# Altium PCB Copy of PCB1.PcbDoc (part 3 of 5)
Units mm, origin at the board's own origin, x right, y up, seen from the top; angles counter-clockwise.
Board outline 150 x 50 mm, 6 copper layers (Top Layer, Layer 1, Top Middle Layer, Bottom Middle Layer, Layer 2, Bottom Layer), stack 0.885 mm thick; 361 components, 293 nets, 1358 pads, 565 vias.
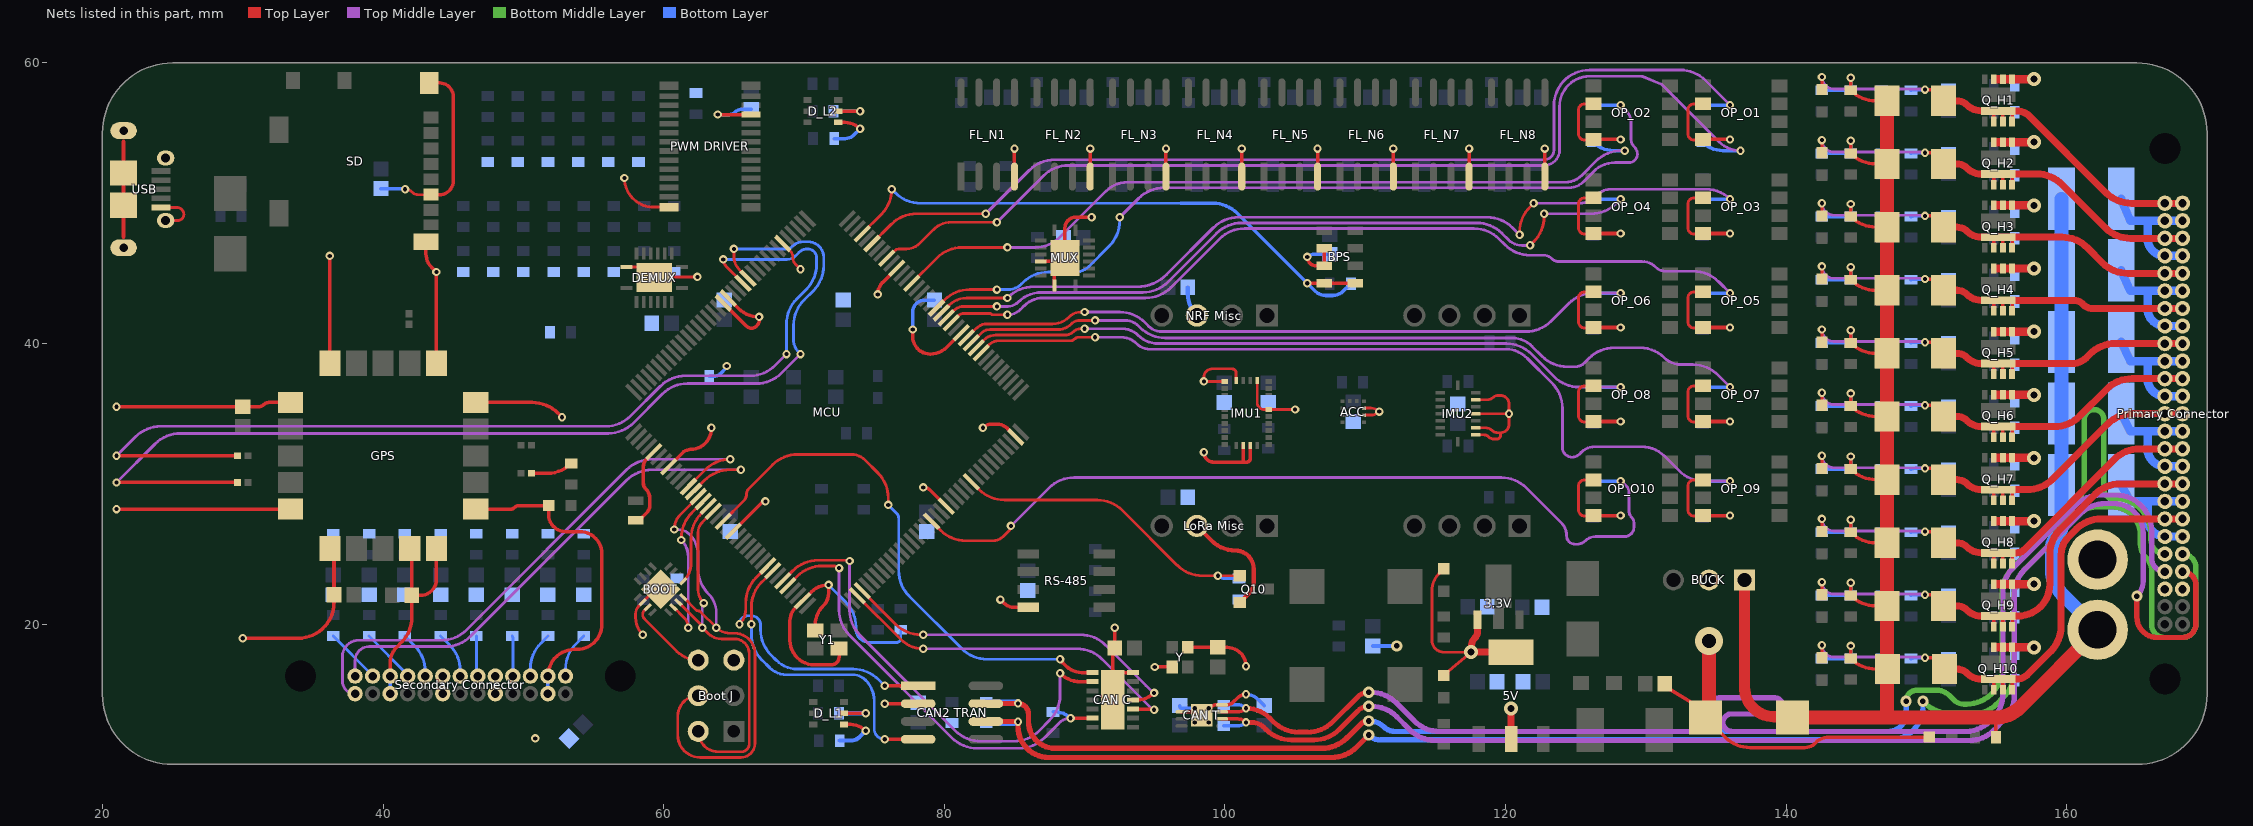
[diagram p7: the nets of this part, all layers, seen from the top]

## Via types
v1: diameter 0.6, hole 0.3, Top Layer to Bottom Layer, 519 vias
v2: diameter 1, hole 0.5, Top Layer to Bottom Layer, 19 vias
v3: diameter 0.8, hole 0.4, Top Layer to Bottom Layer, 17 vias
v4: diameter 6, hole 3.2, Top Layer to Bottom Layer, 5 vias
v5: diameter 0.5, hole 0.3, Top Layer to Bottom Layer, 4 vias
v6: diameter 2, hole 1, Top Layer to Bottom Layer, 1 vias

## Nets (pads, with @x,y where several pads share a name; then routed paths per layer and width w, separated by ;. In a path a pad name is that pad's centre, name@x,y a point inside that pad or via, vN(x,y) a via of type N, cw(c..) or ccw(c..) an arc to the next point about the centre after c; other vN are vias at no path point) (continued)
BAT+: BUCK.1 C101.1 D1_H1.1 D1_H2.1 D1_H3.1 D1_H4.1 D1_H5.1 D1_H6.1 D1_H7.1 D1_H8.1 D1_H9.1 D1_H10.1 F_PTC1.1 F_PTC2.1 F_PTC3.1 F_PTC4.1 F_PTC5.1 J1.1 R1_H1.2 R1_H2.2 R1_H3.2 R1_H4.2 R1_H5.2 R1_H6.2 R1_H7.2 R1_H8.2 R1_H9.2 R1_H10.2 R3_H1.2 R3_H2.2 R3_H3.2 R3_H4.2 R3_H5.2 R3_H6.2 R3_H7.2 R3_H8.2 R3_H9.2 R3_H10.2 R7_H1.2 R7_H2.2 R7_H3.2 R7_H4.2 R7_H5.2 R7_H6.2 R7_H7.2 R7_H8.2 R7_H9.2 R7_H10.2 R101.2 | length 179.6
  Top Layer w0.25: v1(144.6,18.45) R7_H10.2@144.6,17.55 144.606,17.544 ccw(c146.402,19.34) 146.402,16.8 D1_H10.1@147.1,16.8 ; v1(144.6,22.95) R7_H9.2@144.6,22.05 144.606,22.044 ccw(c146.402,23.84) 146.402,21.3 D1_H9.1@147.1,21.3 ; v1(144.6,27.45) R7_H8.2@144.6,26.55 144.606,26.544 ccw(c146.402,28.34) 146.402,25.8 D1_H8.1@147.1,25.8 ; v1(144.6,31.95) R7_H7.2@144.6,31.05 144.606,31.044 ccw(c146.402,32.84) 146.402,30.3 D1_H7.1@147.1,30.3 ; v1(144.6,36.45) R7_H6.2@144.6,35.55 144.606,35.544 ccw(c146.402,37.34) 146.402,34.8 D1_H6.1@147.1,34.8 ; v1(144.6,40.95) R7_H5.2@144.6,40.05 144.606,40.044 ccw(c146.402,41.84) 146.402,39.3 D1_H5.1@147.1,39.3 ; v1(144.6,45.45) R7_H4.2@144.6,44.55 144.606,44.544 ccw(c146.402,46.34) 146.402,43.8 D1_H4.1@147.1,43.8 ; v1(144.6,49.95) R7_H3.2@144.6,49.05 144.606,49.044 ccw(c146.402,50.84) 146.402,48.3 D1_H3.1@147.1,48.3 ; v1(144.6,54.45) R7_H2.2@144.6,53.55 144.606,53.544 ccw(c146.402,55.34) 146.402,52.8 D1_H2.1@147.1,52.8 ; v1(144.6,58.95) R7_H1.2@144.6,58.05 144.606,58.044 ccw(c146.402,59.84) 146.402,57.3 D1_H1.1@147.175,57.3 ; 154.898,13.35 cw(c154.772,13.224) 154.95,13.224 R101.2@154.95,11.95
  Top Layer w0.8: BUCK.1@137.04,23.15 137.04,15.51 ccw(c139.15,15.51) 139.15,13.4 140.4,13.4 cw(c140.4,13.35) C101.1@140.45,13.35
  Top Layer w1: C101.1@140.45,13.35 147.1,13.35 154.898,13.35 ccw(c154.898,15.89) 156.694,14.094 J1.1@162.2,19.6 ; D1_H1.1@147.1,57.119 cw(c147.356,57.119) D1_H1.1@147.175,57.3 ; 147.2,13.35 147.2,16.8 147.2,21.3 147.2,25.8 147.2,30.3 147.2,34.8 147.2,39.3 147.2,43.8 147.2,48.3 147.2,52.8 D1_H1.1@147.2,57.119
  Bottom Layer w0.25: R3_H10.2@142.55,17.55 R1_H10.2@144.6,17.55 v1(144.6,18.45) ; R3_H9.2@142.55,22.05 R1_H9.2@144.6,22.05 v1(144.6,22.95) ; R3_H8.2@142.55,26.55 R1_H8.2@144.6,26.55 v1(144.6,27.45) ; R3_H7.2@142.55,31.05 R1_H7.2@144.6,31.05 v1(144.6,31.95) ; R3_H6.2@142.55,35.55 R1_H6.2@144.6,35.55 v1(144.6,36.45) ; R3_H5.2@142.55,40.05 R1_H5.2@144.6,40.05 v1(144.6,40.95) ; R3_H4.2@142.55,44.55 R1_H4.2@144.6,44.55 v1(144.6,45.45) ; R3_H3.2@142.55,49.05 R1_H3.2@144.6,49.05 v1(144.6,49.95) ; R3_H2.2@142.55,53.55 R1_H2.2@144.6,53.55 v1(144.6,54.45) ; R3_H1.2@142.55,58.05 R1_H1.2@144.6,58.05 v1(144.6,58.95)
  Bottom Layer w1: F_PTC1.1@159.625,50.318 F_PTC2.1@159.625,45.218 F_PTC3.1@159.625,40.118 F_PTC5.1@159.625,29.918 159.625,27.014 cw(c158.686,27.014) 159.35,26.35 ccw(c160.316,25.384) 158.95,25.384 158.95,23.902 ccw(c161.49,23.902) 159.694,22.106 J1.1@162.2,19.6
BLU_L1: D_L1.1 R3_L1.1 | length 3.8
  Top Layer w0.25: D_L1.1@72.85,12.85 73.314,12.85 cw(c73.314,11.314) v1(74.4,12.4)
  Bottom Layer w0.3: R3_L1.1@72.55,11.7 73.346,11.7 ccw(c73.346,12.554) 73.95,11.95 v1(74.4,12.4)
BLU_L2: D_L2.1 R3_L2.1 | length 3.8
  Top Layer w0.25: D_L2.1@72.45,55.764 72.914,55.764 cw(c72.914,54.227) v1(74,55.314)
  Bottom Layer w0.25: R3_L2.1@72.15,54.614 72.946,54.614 ccw(c72.946,55.467) 73.55,54.864 v1(74,55.314)
"BOOT PTA6": BOOT.6 MCU.51 | length 11.5
  Top Layer w0.2: BOOT.6@60.693,21.212 61.464,20.44 cw(c60.774,19.75) v1(61.75,19.75) ; v1(61.25,26) 61.25,26.12 cw(c63.79,26.12) 61.994,27.916 MCU.51@62.825,28.747
  Top Middle Layer w0.2: v1(61.25,26) cw(c60.043,24.793) 61.75,24.793 v1(61.75,19.75)
"BOOT PTB1": BOOT.9 MCU.52 | length 5.9
  Top Layer w0.2: BOOT.9@61.4,23.05 ccw(c60.072,24.378) 61.95,24.378 61.95,26.113 cw(c64.49,26.113) 62.694,27.909 MCU.52@63.179,28.394
"BPS CSN": BPS.4 BPS.5 MCU.141 R402.2 | length 43.2
  Top Layer w0.2: MCU.141@74.139,47.839 75.508,49.208 ccw(c73.716,51) v1(76.25,51)
  Top Layer w0.254: v1(105.875,44.3) BPS.4@107.075,44.3 BPS.5@109.275,44.3
  Bottom Layer w0.2: v1(76.25,51) 76.506,50.744 ccw(c78.302,52.54) 78.302,50 96.85,50
  Bottom Layer w0.254: 96.85,50 99.123,50 cw(c99.123,47.46) 100.919,49.256 v1(105.875,44.3) 106.45,43.726 ccw(c107.175,44.451) 107.175,43.425 107.675,43.425 ccw(c107.675,44.511) 108.443,43.743 R402.2@108.975,44.275
BUZZ: MCU.98 Q10.1 R602.2 | length 23.1
  Top Layer w0.2: MCU.98@81.917,30.162 82.485,29.594 ccw(c84.281,31.39) 84.281,28.85 90.898,28.85 cw(c90.898,26.31) 92.694,28.106 96.606,24.194 ccw(c98.402,25.99) 98.402,23.45 Q10.1@101.05,23.45
  Bottom Layer w0.2: v1(99.5,23.45) ccw(c99.983,23.933) 99.983,23.25 R602.2@101,23.25
CAN2_N: "CAN2 TRAN.6" "Primary Connector.46" R308.2 | length 116.5
  Top Layer w0.381: 82.964,13.065 82.971,13.057 85.242,13.057 v1(85.25,13.05) 85.25,12.7 ccw(c87.45,12.7) 87.45,10.5 88.1,10.5 107,10.5 107.598,10.5 ccw(c107.598,13.04) 109.394,11.244 v3(110.25,12.1)
  Bottom Middle Layer w0.381: v3(149.75,14.5) 149.856,14.394 ccw(c151.652,16.19) 151.652,13.65 153.501,13.65 ccw(c153.501,15.699) 154.95,14.25 155.506,14.806 ccw(c153.71,16.602) 156.25,16.602 156.25,22.098 cw(c158.79,22.098) 156.994,23.894 161.026,27.926 cw(c162.05,26.901) 162.05,28.35 163.25,28.35 cw(c163.25,26.35) 165.25,26.35 165.25,25.716 ccw(c166.616,25.716) 165.65,24.75 cw(c164.684,23.784) 166.05,23.784 166.05,19.969 ccw(c166.969,19.969) 166.969,19.05 168.25,19.05 ccw(c168.25,20) 169.2,20 169.2,24.05 ccw(c168.25,24.05) 168.25,25
  Bottom Layer w0.381: R308.2@83,12.95 85.15,12.95 ccw(c85.15,13.05) v1(85.25,13.05) ; v3(110.25,12.1) ccw(c111.095,12.945) 111.095,11.75 114.8,11.75 147.4,11.75 ccw(c147.4,14.1) 149.75,14.1 v3(149.75,14.5)
CAN2_P: "CAN2 TRAN.7" "Primary Connector.21" R308.1 | length 115.8
  Top Layer w0.381: 82.964,14.335 82.971,14.342 85.242,14.342 v1(85.25,14.35) cw(c85.25,13.6) 86,13.6 86,13.05 ccw(c87.9,13.05) 87.9,11.15 88.1,11.15 106.35,11.15 106.898,11.15 ccw(c106.898,13.69) 108.694,11.894 109.653,12.853 cw(c110.25,12.255) v3(110.25,13.1)
  Bottom Middle Layer w0.381: v3(148.55,14.5) cw(c149.35,14.5) 149.35,15.3 150.7,15.3 cw(c150.7,13.972) 151.639,14.911 151.95,14.6 ccw(c152.674,15.324) 152.674,14.3 152.86,14.3 ccw(c152.86,16.84) 155.4,16.84 155.4,22.198 cw(c157.94,22.198) 156.144,23.994 160.506,28.356 ccw(c158.71,30.152) 161.25,30.152 161.25,34.589 161.25,34.591 cw(c161.95,34.595) 162.65,34.595 162.65,34.593 162.65,29.6 ccw(c163.3,29.6) 163.3,28.95 163.46,28.95 cw(c163.46,26.41) 166,26.41 166,26 ccw(c167,26) 167,25
  Bottom Layer w0.2: v1@85.15,14.45 cw(c85.15,14.35) v1(85.25,14.35)
  Bottom Layer w0.381: R308.1@83,14.45 v1@85.15,14.45 ; v3(110.25,13.1) 110.334,13.1 cw(c110.334,11.734) 111.3,12.7 ccw(c112.145,13.545) 112.145,12.35 147.25,12.35 ccw(c147.25,13.65) 148.55,13.65 v3(148.55,14.5)
CAN2RX: "CAN2 TRAN.4" MCU.65 | length 22.1
  Top Layer w0.2: v1(66.25,20) 66.25,21.221 cw(c68.79,21.221) 66.994,23.017 MCU.65@67.775,23.798
  Top Layer w0.25: v1(75.75,11.795) 78.136,11.795
  Bottom Layer w0.2: v1(66.25,20) 66.25,19.252 ccw(c68.79,19.252) 66.994,17.456 67.556,16.894 ccw(c68.749,18.086) 68.749,16.4 73.434,16.4 cw(c73.434,15.034) 74.4,16 cw(c72.951,14.551) 75,14.551 75,12.545 ccw(c75.75,12.545) v1(75.75,11.795)
CAN2TX: "CAN2 TRAN.1" MCU.64 | length 20.6
  Top Layer w0.2: v1(65.4,20) ccw(c64.314,21.086) 65.85,21.086 65.85,21.528 cw(c68.39,21.528) 66.594,23.324 MCU.64@67.422,24.151
  Top Layer w0.25: v1(75.75,15.605) 78.136,15.605
  Bottom Layer w0.2: v1(65.4,20) cw(c66,20) 66,20.6 66.25,20.6 cw(c66.25,19.95) 66.9,19.95 66.9,19.602 ccw(c69.44,19.602) 67.644,17.806 68.025,17.425 ccw(c69.534,18.934) 69.534,16.8 73.503,16.8 cw(c73.503,14.26) 75.299,16.056 v1(75.75,15.605)
"CANF CLKO": "CAN C.3" MCU.75 | length 25.8
  Top Layer w0.2: MCU.75@73.786,22.03 76.905,18.911 ccw(c78.5,20.506) v1(78.5,18.25)
  Top Layer w0.254: 93.45,13.95 94.829,13.95 cw(c94.829,13.779) v1(94.95,13.9)
  Top Middle Layer w0.2: v1(78.5,18.25) 89.448,18.25 cw(c89.448,15.71) 91.245,17.505 94.367,14.383 94.779,13.971 ccw(c94.95,14.141) v1(94.95,13.9)
"CANF CS": "CAN C.13" MCU.68 R2.1 | length 31.8
  Top Layer w0.2: MCU.68@68.836,22.737 69.505,23.406 cw(c71.301,21.61) 71.301,24.15 72.138,24.15 cw(c72.138,23.638) v1(72.5,24)
  Top Layer w0.254: v1(89,13.3) 90.55,13.3
  Top Middle Layer w0.2: v1(72.5,24) 72.5,21.002 ccw(c75.04,21.002) 73.244,19.206 80.556,11.894 ccw(c82.352,13.69) 82.352,11.15 85.323,11.15 ccw(c85.323,13.69) 87.119,11.894 88.189,12.964 cw(c89,12.153) v1(89,13.3)
  Bottom Layer w0.254: R2.1@87.75,13.75 87.914,13.75 cw(c87.914,12.214) v1(89,13.3)
"CANF INTN": "CAN C.4" MCU.76 | length 25.2
  Top Layer w0.2: MCU.76@74.139,22.384 76.529,19.994 ccw(c78.325,21.79) 78.325,19.25 v1(78.5,19.25)
  Top Layer w0.254: 93.45,14.6 93.743,14.6 ccw(c93.743,16.307) v1(94.95,15.1)
  Top Middle Layer w0.2: v1(78.5,19.25) 89.698,19.25 cw(c89.698,16.71) 91.495,18.505 94.384,15.616 94.865,15.135 ccw(c94.95,15.221) v1(94.95,15.1)
"CANF INTN0": "CAN C.9" MCU.67 | length 33.8
  Top Layer w0.2: MCU.67@68.482,23.091 69.198,23.806 cw(c70.994,22.01) 70.994,24.55 73.129,24.55 cw(c73.129,24.379) v1(73.25,24.5)
  Top Layer w0.254: v1(88.25,16.5) ccw(c89.699,17.949) 89.699,15.9 90.55,15.9
  Top Middle Layer w0.2: v1(73.25,24.5) 73.25,21.002 ccw(c75.79,21.002) 73.994,19.206 80.806,12.394 ccw(c82.602,14.19) 82.602,11.65 84.948,11.65 ccw(c84.948,14.19) 86.744,12.394 87.506,13.156 ccw(c85.71,14.952) 88.25,14.952 v1(88.25,16.5)
"CANF INTN1": "CAN C.8" MCU.55 | length 38.2
  Top Layer w0.2: MCU.55@64.24,27.333 65.719,28.812 ccw(c65.281,29.25) 65.9,29.25 cw(c66.504,29.25) 66.077,29.677 67.756,31.356 cw(c69.552,29.56) 69.552,32.1 73.384,32.1 cw(c73.384,30.734) 74.35,31.7 75.256,30.794 cw(c73.46,28.998) 76,28.998 v1(76,28.5)
  Top Layer w0.254: v1(88.25,17.5) ccw(c88.371,17.5) 88.285,17.415 88.7,17 ccw(c89.786,18.086) 89.786,16.55 90.55,16.55
  Bottom Layer w0.2: v1(76,28.5) 76.609,27.891 cw(c76.267,27.55) 76.75,27.55 76.75,23.802 ccw(c79.29,23.802) 77.494,22.006 81.256,18.244 ccw(c83.052,20.04) 83.052,17.5 v1(88.25,17.5)
CANF_N: "CAN T.6" "Primary Connector.47" R1.2 | length 98.5
  Top Layer w0.25: 99.8,13.25 100.896,13.25 cw(c100.896,12.396) v1(101.5,13)
  Top Layer w0.35: v1(101.5,13) 101.895,13 cw(c101.895,11.72) 102.8,12.625 102.931,12.494 ccw(c104.727,14.29) 104.727,11.75 106.348,11.75 ccw(c106.348,14.29) 108.144,12.494 109.482,13.832 cw(c110.25,13.064) v3(110.25,14.15)
  Top Layer w0.381: v3(165,22) 165,20.5 ccw(c166.45,20.5) 166.45,19.05 168.25,19.05 ccw(c168.25,20) 169.2,20 169.2,22.8 ccw(c168.25,22.8) 168.25,23.75
  Top Middle Layer w0.375: v3(110.25,14.15) 110.448,14.15 cw(c110.448,11.61) 112.244,13.406 113.19,12.46 ccw(c114.986,14.256) 114.986,11.716 116.05,11.716 153.274,11.716 ccw(c153.273,12.097) 153.316,11.718 ccw(c153.011,14.24) 154.807,12.444 155.546,13.183 ccw(c153.813,14.916) 156.264,14.916 156.264,22.111 cw(c158.804,22.111) 157.008,23.908 160.956,27.856 cw(c162.752,26.06) 162.752,28.6 163.35,28.6 cw(c163.35,26.5) 165.45,26.5 165.45,23.086 cw(c163.914,23.086) v3(165,22)
  Bottom Layer w0.25: R1.2@99.925,12.75 100.896,12.75 ccw(c100.896,13.604) v1(101.5,13)
CANF_P: "CAN T.7" "Primary Connector.22" R1.1 | length 98.8
  Top Layer w0.25: 99.8,13.75 100.896,13.75 ccw(c100.896,14.604) v1(101.5,14)
  Top Layer w0.35: v1(101.5,14) 101.51,14 cw(c101.51,11.61) 103.2,13.3 103.456,13.044 ccw(c105.252,14.84) 105.252,12.3 105.898,12.3 ccw(c105.898,14.84) 107.694,13.044 109.482,14.832 cw(c110.25,14.064) v3(110.25,15.15)
  Top Middle Layer w0.375: v3(110.25,15.15) 110.398,15.15 cw(c110.398,12.61) 112.194,14.406 113.505,13.095 ccw(c115.301,14.891) 115.301,12.351 133.501,12.351 ccw(c133.501,13.225) 134.375,13.225 134.375,13.9 cw(c135.225,13.9) 135.225,14.75 139.2,14.75 cw(c139.2,14.2) 139.75,14.2 cw(c139.15,14.2) 139.15,13.6 136.1,13.6 ccw(c136.1,13) 135.5,13 ccw(c136.149,13) 136.149,12.351 152.815,12.351 ccw(c152.814,12.732) 152.824,12.351 ccw(c152.748,14.89) 154.544,13.094 154.706,13.256 ccw(c152.91,15.052) 155.45,15.052 155.45,22.248 cw(c157.99,22.248) 156.194,24.044 160.606,28.456 cw(c162.402,26.66) 162.402,29.2 163.51,29.2 cw(c163.51,26.66) 166.05,26.66 166.05,24.7 ccw(c167,24.7) 167,23.75
  Bottom Layer w0.25: R1.1@99.925,14.25 100.896,14.25 cw(c100.896,13.396) v1(101.5,14)
DC: "Boot J.4" BOOT.8 MCU.50 | length 35.3
  Top Layer w0.2: v1(60.75,26.75) cw(c62.269,26.75) 61.195,27.824 MCU.50@62.472,29.101 ; BOOT.8@61.4,21.919 62.311,21.008 ccw(c62.45,21.146) 62.45,20.95 cw(c62.45,20.709) 62.621,20.879 v1(63.75,19.75) ccw(c64.716,20.716) 64.716,19.35 65.05,19.35 cw(c65.05,17.9) 66.5,17.9 66.5,11.5 cw(c65.5,11.5) 65.5,10.5 62.6,10.5 cw(c62.6,12.1) 61,12.1 61,13.44 cw(c62.46,13.44) 62.46,14.9
  Top Middle Layer w0.2: v1(60.75,26.75) 61.005,26.75 cw(c61.005,25.555) 61.85,26.4 cw(c60.401,24.951) 62.45,24.951 62.45,23.952 ccw(c64.99,23.952) 63.194,22.156 cw(c61.852,20.814) 63.75,20.814 v1(63.75,19.75)
DD: "Boot J.2" BOOT.7 MCU.53 | length 26.8
  Top Layer w0.2: BOOT.7@61.046,21.565 62.671,19.94 cw(c62.481,19.75) v1(62.75,19.75) 63.15,19.35 ccw(c64.116,20.316) 64.116,18.95 65.05,18.95 cw(c65.05,17.9) 66.1,17.9 66.1,11.5 cw(c65.5,11.5) 65.5,10.9 63.92,10.9 cw(c63.92,12.36) 62.46,12.36 ; v1(62.85,21.5) cw(c63.816,22.466) 62.45,22.466 62.45,26.55 cw(c63.435,26.55) 62.738,27.246 MCU.53@63.532,28.04
  Top Middle Layer w0.2: v1(62.75,19.75) 62.75,21.259 cw(c63.091,21.259) v1(62.85,21.5)
DE: "Boot J.6" BOOT.3 | length 6
  Top Layer w0.2: BOOT.3@58.854,21.212 58.611,20.968 ccw(c58.879,20.7) 58.5,20.7 ccw(c58.983,20.7) 58.641,20.359 60.924,18.076 ccw(c62.46,19.613) 62.46,17.44
DIO1: "Secondary Connector.26" MCU.48 | length 40.3
  Top Layer w0.2: MCU.48@61.765,29.808 62.969,31.012 cw(c64.75,29.231) v1(64.75,31.75)
  Top Middle Layer w0.2: 38,15.05 cw(c38,15.95) 37.1,15.95 37.1,17.7 cw(c38.25,17.7) 38.25,18.85 44.148,18.85 ccw(c44.148,21.39) 45.944,19.594 57.356,31.006 cw(c59.152,29.21) 59.152,31.75 v1(64.75,31.75)
DIO2: "Secondary Connector.13" MCU.49 | length 38.1
  Top Layer w0.2: MCU.49@62.118,29.455 62.92,30.256 cw(c64.716,28.46) 64.716,31 v1(65.5,31)
  Top Middle Layer w0.2: 38,16.3 38,17.4 cw(c39,17.4) 39,18.4 44.448,18.4 ccw(c44.448,20.94) 46.244,19.144 57.356,30.256 cw(c59.152,28.46) 59.152,31 v1(65.5,31)
"EX AIN1": "Secondary Connector.1" R1_F1.1 | length 3.3
  Bottom Layer w0.2: 53,16.3 53,16.798 cw(c55.54,16.798) 53.744,18.594 R1_F1.1@54.3,19.15
"EX AIN2": "Secondary Connector.3" R1_F2.1 | length 3.3
  Bottom Layer w0.2: 50.5,16.3 50.5,16.848 cw(c53.04,16.848) 51.244,18.644 R1_F2.1@51.75,19.15
"EX AIN3": "Secondary Connector.4" R1_F3.1 | length 2.9
  Bottom Layer w0.2: R1_F3.1@49.2,19.15 cw(c49.079,19.029) 49.25,19.029 49.25,16.3
"EX AIN4": "Secondary Connector.6" R1_F4.1 | length 2.9
  Bottom Layer w0.2: R1_F4.1@46.65,19.15 46.65,16.541 ccw(c46.991,16.541) 46.75,16.3
"EX AIN5": "Secondary Connector.7" R1_F5.1 | length 3.3
  Bottom Layer w0.2: R1_F5.1@44.1,19.15 44.756,18.494 cw(c42.96,16.698) 45.5,16.698 45.5,16.3
"EX AIN6": "Secondary Connector.9" R1_F6.1 | length 3.3
  Bottom Layer w0.2: R1_F6.1@41.55,19.15 42.256,18.444 cw(c40.46,16.648) 43,16.648 43,16.3
"EX AIN7": "Secondary Connector.10" R1_F7.1 | length 4
  Bottom Layer w0.2: R1_F7.1@39,19.15 41.679,16.471 cw(c41.509,16.3) 41.75,16.3
"EX AIN8": "Secondary Connector.12" R1_F8.1 | length 4
  Bottom Layer w0.2: R1_F8.1@36.45,19.15 39.215,16.385 cw(c39.129,16.3) 39.25,16.3
EXTAL32: MCU.41 Y2.2 | length 5.8
  Top Layer w0.254: Y2.2@58,27.4 58.423,27.573 58.623,27.773 58.788,27.938 ccw(c58.276,28.45) 59,28.45 59,28.996 ccw(c58.146,28.996) 58.75,29.6 cw(c59.233,30.083) 58.55,30.083 58.55,31.2 cw(c59.378,31.2) 58.792,31.786 MCU.41@59.29,32.283
GND: 3.3V.1 5V.2 5V.4 "Boot J.5" "CAN2 TRAN.2" "CAN C.7" "CAN C.15" "CAN T.2" "CAN T.8" "CAN T.9" "LoRa Misc.3" "NRF Misc.3" "Primary Connector.23" "Primary Connector.48" "PWM DRIVER.14" "PWM DRIVER.25" "Secondary Connector.2" "Secondary Connector.5" "Secondary Connector.8" "Secondary Connector.11" "Secondary Connector.15" "Secondary Connector.18" "Secondary Connector.21" "Secondary Connector.24" ACC.8 ACC.9 BOOT.2 BOOT.17 BPS.2 BPS.3 BUCK.2 C1.1 C2.1 C3.1 C4.1 C5.1 C101.2 C102.1 C103.1 C104.1 C105.1 C106.1 C201.1 C202.1 C203.1 C204.1 C205.1 C209.1 C210.1 C301.1 C302.1 C401.1 C402.1 C403.1 C404.1 C405.1 C406.1 C407.1 C501.2 C502.2 C503.2 C601.1 C602.1 C603.1 C604.1 C_F1.1 C_F2.1 C_F3.1 C_F4.1 C_F5.1 C_F6.1 C_F7.1 C_F8.1 C_H1.1 C_H2.1 C_H3.1 C_H4.1 C_H5.1 C_H6.1 C_H7.1 C_H8.1 C_H9.1 C_H10.1 DEMUX.8 DEMUX.17 DS1.1 DS2.1 DS3.1 DS4.1 FB3.1 FL_N1.4 FL_N2.4 FL_N3.4 FL_N4.4 FL_N5.4 FL_N6.4 FL_N7.4 FL_N8.4 GPS.1 GPS.4 GPS.5 GPS.6 GPS.10 GPS.11 GPS.15 GPS.16 GPS.20 IMU1.2 IMU1.5 IMU1.6 IMU1.17 IMU1.18 IMU1.25 IMU2.2 IMU2.4 IMU2.6 IMU2.7 J1.2 MCU.6 MCU.17 MCU.18 MCU.44 MCU.57 MCU.71 MCU.93 MCU.107 MCU.121 MCU.134 MUX.5 MUX.8 MUX.17 OP_O1.2 OP_O1.4 OP_O2.2 OP_O2.4 OP_O3.2 OP_O3.4 OP_O4.2 OP_O4.4 OP_O5.2 OP_O5.4 OP_O6.2 OP_O6.4 OP_O7.2 OP_O7.4 OP_O8.2 OP_O8.4 OP_O9.2 OP_O9.4 OP_O10.2 OP_O10.4 Q10.2 Q_H1.5 Q_H1.6 Q_H1.7 Q_H2.5 Q_H2.6 Q_H2.7 Q_H3.5 Q_H3.6 Q_H3.7 Q_H4.5 Q_H4.6 Q_H4.7 Q_H5.5 Q_H5.6 Q_H5.7 Q_H6.5 Q_H6.6 Q_H6.7 Q_H7.5 Q_H7.6 Q_H7.7 Q_H8.5 Q_H8.6 Q_H8.7 Q_H9.5 Q_H9.6 Q_H9.7 Q_H10.5 Q_H10.6 Q_H10.7 R2_F1.2 R2_F2.2 R2_F3.2 R2_F4.2 R2_F5.2 R2_F6.2 R2_F7.2 R2_F8.2 R2_H1.1 R2_H2.1 R2_H3.1 R2_H4.1 R2_H5.1 R2_H6.1 R2_H7.1 R2_H8.1 R2_H9.1 R2_H10.1 R4_H1.1 R4_H2.1 R4_H3.1 R4_H4.1 R4_H5.1 R4_H6.1 R4_H7.1 R4_H8.1 R4_H9.1 R4_H10.1 R6_H1.1 R6_H2.1 R6_H3.1 R6_H4.1 R6_H5.1 R6_H6.1 R6_H7.1 R6_H8.1 R6_H9.1 R6_H10.1 R105.2 R107.2 R307.2 R502.1 R503.1 R602.1 RL_J1.2 RL_J2.2 RL_J3.2 RL_J4.2 RL_J5.2 RL_J6.2 RL_J7.2 RL_J8.2 RL_J9.2 RL_J10.2 RL_J11.2 RL_J12.2 RL_J13.2 RL_J14.2 RS-485.4 SD.6 SD.11 SD.12 USB.5 USB.6 USB.7 USB.8 USB.9 USB.10 USB.11 Y1.2 Y1.4 Y.2 Y.4 | length 432.3
  Top Layer w0.2: USB.5@24.175,49.7 25.3,49.7 cw(c25.3,49.2) 25.8,49.2 cw(c25.375,49.2) 25.375,48.775 USB.7@24.5,48.775 ; v1@41.5,51 v1(41.567,51) cw(c41.567,50.317) 42.05,50.8 ccw(c42.503,51.253) 42.503,50.612 SD.6@43.413,50.612 ; v1(57.2,51.8) ccw(c59.252,51.8) 57.801,50.349 57.85,50.3 ccw(c59.238,51.688) 59.238,49.725 60.375,49.725 ; DEMUX.8@57.35,45.45 59.075,45.45 59.075,44.95 DEMUX.17@59.325,44.7 59.375,44.75 v1(62.4,44.75) ; v1(58.5,19.25) cw(c59.707,20.457) 58,20.457 58,20.75 cw(c58.759,20.75) 58.222,21.286 BOOT.2@58.501,21.565 59.42,22.484 BOOT.17@59.774,22.484 ; MCU.6@68.482,47.132 69.013,46.602 cw(c68.561,46.15) 69.2,46.15 69.2,46.133 ccw(c69.883,46.133) 69.4,45.65 v1(69.75,45.3) ; IMU1.6@99.988,37.3 v1(98.5,37.3) 98.5,37.6 cw(c99.1,37.6) 99.1,38.2 100.5,38.2 cw(c100.5,37.9) 100.8,37.9 IMU1.5@100.8,37.363 ; IMU1.2@102.3,37.363 102.3,35.8 ccw(c102.8,35.8) 102.8,35.3 IMU1.25@103.113,35.3 v1(105,35.3) ; ACC.8@109.912,34.9 110.396,34.9 ccw(c110.396,35.754) v1(111,35.15) ccw(c110.396,34.546) 110.396,35.4 ACC.9@109.912,35.4 ; DS2.1@115.6,23.95 115.28,23.63 ccw(c116.561,22.35) 114.75,22.35 114.75,18.854 ccw(c115.604,18.854) 115,18.25 ccw(c115.604,18.854) 115.604,18 v2(117.55,18) DS3.1@115.75,16.5 ; IMU2.7@117.863,33.5 118.438,33.5 cw(c118.438,32.988) 118.8,33.35 ccw(c119.162,33.712) 119.162,33.2 119.4,33.2 ccw(c119.4,33.45) 119.65,33.45 119.65,33.65 ; IMU2.6@117.863,34 118.567,34 cw(c118.567,33.317) 119.05,33.8 ccw(c119.412,34.162) 119.412,33.65 119.65,33.65 ; IMU2.4@117.863,35 v1(120.25,35) ; IMU2.2@117.863,36 118.738,36 ccw(c118.738,36.512) 119.1,36.15 cw(c119.462,35.788) 119.462,36.3 119.65,36.3 cw(c119.65,35.7) 120.25,35.7 v1(120.25,35) ; OP_O10.4@126.27,27.745 cw(c126.225,27.745) 126.225,27.7 125.65,27.7 cw(c125.65,28.15) 125.2,28.15 125.2,29.85 cw(c125.635,29.85) 125.635,30.285 OP_O10.2@126.27,30.285 ; OP_O8.4@126.27,34.445 cw(c126.225,34.445) 126.225,34.4 125.65,34.4 cw(c125.65,34.85) 125.2,34.85 125.2,36.55 cw(c125.635,36.55) 125.635,36.985 OP_O8.2@126.27,36.985 ; OP_O6.4@126.27,41.145 cw(c126.225,41.145) 126.225,41.1 125.65,41.1 cw(c125.65,41.55) 125.2,41.55 125.2,43.25 cw(c125.635,43.25) 125.635,43.685 OP_O6.2@126.27,43.685 ; OP_O4.4@126.27,47.845 cw(c126.225,47.845) 126.225,47.8 125.65,47.8 cw(c125.65,48.25) 125.2,48.25 125.2,49.95 cw(c125.635,49.95) 125.635,50.385 OP_O4.2@126.27,50.385 ; OP_O2.4@126.27,54.545 cw(c126.225,54.545) 126.225,54.5 125.65,54.5 cw(c125.65,54.95) 125.2,54.95 125.2,56.65 cw(c125.635,56.65) 125.635,57.085 OP_O2.2@126.27,57.085 ; OP_O9.4@134.07,27.745 cw(c134.025,27.745) 134.025,27.7 133.45,27.7 cw(c133.45,28.15) 133,28.15 133,29.85 cw(c133.435,29.85) 133.435,30.285 OP_O9.2@134.07,30.285 ; OP_O7.4@134.07,34.445 cw(c134.025,34.445) 134.025,34.4 133.45,34.4 cw(c133.45,34.85) 133,34.85 133,36.55 cw(c133.435,36.55) 133.435,36.985 OP_O7.2@134.07,36.985 ; OP_O5.4@134.07,41.145 cw(c134.025,41.145) 134.025,41.1 133.45,41.1 cw(c133.45,41.55) 133,41.55 133,43.25 cw(c133.435,43.25) 133.435,43.685 OP_O5.2@134.07,43.685 ; OP_O3.4@134.07,47.845 cw(c134.025,47.845) 134.025,47.8 133.45,47.8 cw(c133.45,48.25) 133,48.25 133,49.95 cw(c133.435,49.95) 133.435,50.385 OP_O3.2@134.07,50.385 ; OP_O1.4@134.07,54.545 cw(c134.025,54.545) 134.025,54.5 133.45,54.5 cw(c133.45,54.95) 133,54.95 133,56.65 cw(c133.435,56.65) 133.435,57.085 OP_O1.2@134.07,57.085 ; 119.65,33.65 ccw(c119.65,34.25) 120.25,34.25 v1(120.25,35)
  Top Layer w0.25: v1(21,28.2) GPS.20@33.4,28.2 ; v1(21,35.5) C401.1@30,35.5 31.138,35.5 ccw(c31.138,36.012) 31.5,35.65 cw(c31.862,35.288) 31.862,35.8 GPS.16@33.4,35.8 ; v1(30,19) 33.96,19 ccw(c33.96,21.54) 36.5,21.54 C402.1@36.5,22.1 36.5,25.1 ccw(c36.2,25.1) GPS.1@36.2,25.4 ; GPS.15@36.2,38.6 v1(36.2,46.25) ; 40.5,16.3 40.5,17.193 cw(c42.207,17.193) 41,18.4 41.306,18.706 ccw(c39.51,20.502) 42.05,20.502 C209.1@42.05,22.05 ; GPS.4@41.9,25.4 42.05,25.4 C209.1@42.05,22.05 ; SD.12@43.062,47.252 ccw(c43.093,47.222) 43.05,47.222 43.05,46.4 ccw(c44.378,46.4) 43.439,45.461 v1(43.8,45.1) GPS.11@43.8,38.6 ; SD.11@43.287,58.572 44.028,58.572 cw(c44.028,57.6) 45,57.6 45,51.6 cw(c44,51.6) 44,50.6 43.413,50.6 SD.6@43.413,50.612 ; GPS.5@43.8,25.4 43.8,23.2 cw(c42.65,23.2) 42.65,22.05 C209.1@42.05,22.05 ; GPS.6@46.6,28.2 49.109,28.2 ccw(c49.109,28.541) 49.35,28.3 cw(c49.712,27.938) 49.712,28.45 DS4.1@51.8,28.45 51.8,27.8 ccw(c53,27.8) 53,26.6 54,26.6 cw(c54,25) 55.6,25 55.6,20 cw(c53.8,20) 53.8,18.2 53.65,18.2 ccw(c53.65,16.3) 51.75,16.3 ; GPS.10@46.6,35.8 50.648,35.8 cw(c50.648,33.26) 52.444,35.056 v1(52.75,34.75) ; MCU.44@60.35,31.222 61.351,32.222 cw(c61.9,31.673) 61.9,32.45 ccw(c61.9,33.95) 63.4,33.95 v1(63.4,34) ; v1@63.75,56.325 v1(63.85,56.325) 66.225,56.325 ; MCU.18@64.24,42.89 65.873,41.256 ccw(c66.25,41.633) 66.25,41.1 ccw(c66.25,41.65) 66.8,41.65 v1(66.8,41.9) cw(c66.8,43.985) 65.326,42.511 MCU.17@64.593,43.243 ; MCU.57@64.947,26.626 66.944,28.623 cw(c67.25,28.317) v1(67.25,28.75) ; Y1.4@70.8,19.55 70.8,19.902 cw(c72.848,19.902) 71.4,21.35 ccw(c70.555,22.195) 71.75,22.195 v1(71.75,22.8) ccw(c71.75,21.038) 70.504,22.284 MCU.71@69.896,21.676 69.375,21.155 ccw(c70.279,20.25) 69,20.25 69,18.85 ccw(c70.75,18.85) 70.75,17.1 71.95,17.1 ccw(c71.95,17.65) 72.5,17.65 Y1.2@72.5,18.25 ; v1(75.25,43.5) cw(c76.458,43.5) 75.604,44.354 MCU.134@76.614,45.364 ; v1(75.75,14.335) 78.136,14.335 ; v1(77.75,41) 77.75,40.5 ccw(c79,40.5) 79,39.25 ccw(c79,40.92) 80.181,39.739 MCU.121@81.21,40.768 ; v1(78.5,29.75) cw(c78.5,29.042) 79.001,29.543 MCU.93@80.149,28.394 ; v1(82.75,34) cw(c83.354,33.396) 83.354,34.25 83.75,34.25 cw(c83.75,33.181) 84.506,33.937 MCU.107@85.099,33.344 ; v1(84,21.75) 84.25,21.5 ccw(c84.962,22.212) 84.962,21.205 RS-485.4@85.988,21.205 ; FL_N1.4@85,51.9 v1(85,53.9) ; MUX.5@86.875,45.85 MUX.17@87.85,45.85 ; MUX.8@87.85,44.125 MUX.17@87.85,45.85 ; FL_N2.4@90.4,51.9 v1(90.4,53.9) ; v1(90.5,49) 89.35,49 ccw(c89.35,48.25) 88.6,48.25 MUX.17@88.6,46.1 87.85,46.1 MUX.17@87.85,45.85 ; 92,14.6 92,16.55 ; v1(92.15,19.75) C2.1@92.15,18.3 ccw(c92.512,17.938) 92,17.938 92,16.55 ; 93.45,16.55 92,16.55 ; v1(95,16.95) Y.4@96.25,16.95 ; FL_N3.4@95.8,51.9 v1(95.8,53.9) ; 96.9,13.75 97.746,13.75 cw(c97.746,12.896) 98.35,13.5 ; Y.2@97.35,18.35 C1.1@99.5,18.35 100.15,18.35 cw(c100.15,17) v1(101.5,17) ; v1(98.5,32.25) ccw(c99.2,32.25) 99.2,31.55 101.3,31.55 ; v5(98.85,14) cw(c99.454,13.396) 99.454,14.25 99.8,14.25 100.117,14.25 ccw(c100.117,14.933) 100.6,14.45 100.903,14.753 cw(c101.5,14.155) v1(101.5,15) ; FL_N4.4@101.2,51.9 v1(101.2,53.9) ; IMU1.17@101.3,32.738 101.3,31.55 ; IMU1.18@101.8,32.738 101.8,31.8 cw(c101.55,31.8) 101.55,31.55 101.3,31.55 ; v1(105.875,46.175) ccw(c106.5,46.175) 106.5,45.55 BPS.3@107.075,45.55 BPS.2@107.075,46.8 ; FL_N5.4@106.6,51.9 v1(106.6,53.9) ; FL_N6.4@112,51.9 v1(112,53.9) ; FL_N7.4@117.4,51.9 v1(117.4,53.9) ; FL_N8.4@122.8,51.9 v1(122.8,53.9) ; OP_O10.4@126.27,27.745 v1(128.2,27.745) ; OP_O8.4@126.27,34.445 v1(128.2,34.445) ; OP_O6.4@126.27,41.145 v1(128.2,41.145) ; OP_O4.4@126.27,47.845 v1(128.2,47.845) ; OP_O2.4@126.27,54.545 v1(128.2,54.545) ; C102.1@131.35,15.75 131.75,15.325 133.2,14.45 C101.2@134.25,13.35 ; OP_O9.4@134.07,27.745 v1(136,27.745) ; OP_O7.4@134.07,34.445 v1(136,34.445) ; OP_O5.4@134.07,41.145 v1(136,41.145) ; OP_O3.4@134.07,47.845 v1(136,47.845) ; OP_O1.4@134.07,54.545 v1(136,54.545) ; C101.2@134.5,14.45 C101.2@134.25,13.35 ; DS1.1@150.2,11.95 143.066,11.95 ccw(c143.066,10.584) 142.1,11.55 142.038,11.488 cw(c141.343,12.183) 141.343,11.2 137.452,11.2 cw(c137.452,13.74) 135.656,11.944 C101.2@134.25,13.35